# Altium PCB EDA-04211-V4_0_pcb.pcbdoc (part 9 of 12)
Units mm, origin at the board's own origin, x right, y up, seen from the top; angles counter-clockwise.
Board outline 304.8 x 128.5 mm, 14 copper layers (Top Layer, L2, L3GND, L4, L5GND, L6, L7GND, L8, L9GND, L10, L11GND, L12, L13GND, Bottom Layer), stack 4.06 mm thick; 143 components, 1224 nets, 5334 pads, 591 vias.
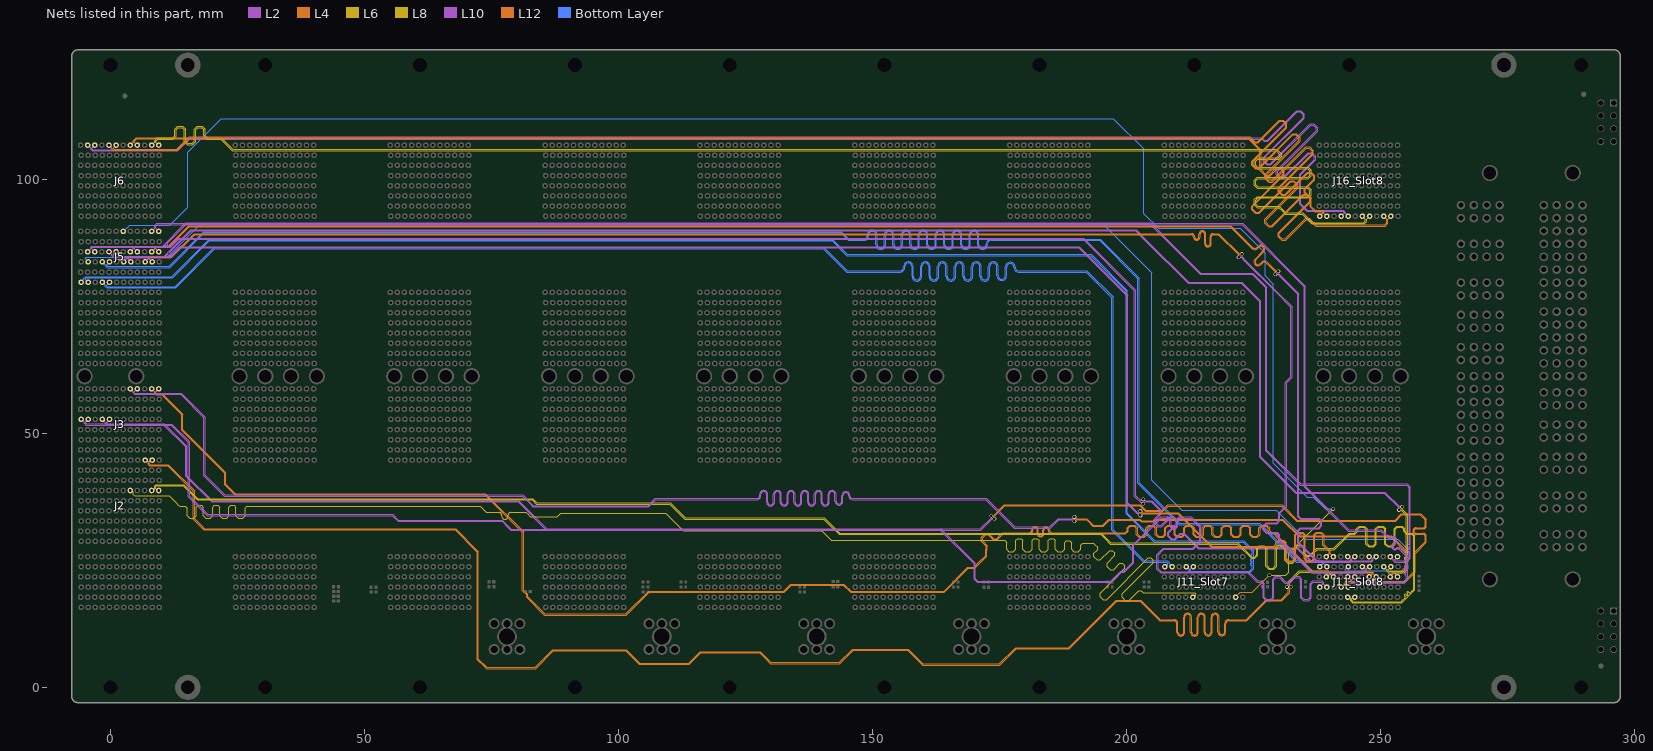
[diagram p21: the nets of this part, all layers, seen from the top]

## Via types
v1: diameter 0.75, hole 0.5, Top Layer to Bottom Layer, tented both sides, 549 vias
v2: diameter 0.85, hole 0.5, Top Layer to Bottom Layer, tented both sides, 32 vias
v3: diameter 1.3, hole 1, Top Layer to Bottom Layer, tented both sides, 10 vias

## Nets (pads, with @x,y where several pads share a name; then routed paths per layer and width w, separated by ;. In a path a pad name is that pad's centre, name@x,y a point inside that pad or via, vN(x,y) a via of type N, cw(c..) or ccw(c..) an arc to the next point about the centre after c; other vN are vias at no path point) (continued)
7_DIFF_15_P: J2.H6 J11_Slot7.E2 | length 296.2
  L6 w0.102: J2.H6@3.92,38.75 4.181,38.75 4.506,38.426 4.506,37.947 4.774,37.678 11.588,37.678 13.016,36.25 13.178,36.088 13.645,35.621 13.923,35.621 14.754,35.621 15.097,35.278 15.097,33.812 15.574,33.335 16.45,33.335 16.927,33.812 16.927,35.486 17.27,35.829 17.956,35.829 18.299,35.486 18.299,33.812 18.776,33.335 19.652,33.335 20.129,33.812 20.129,35.486 20.472,35.829 21.158,35.829 21.501,35.486 21.501,33.812 21.978,33.335 22.854,33.335 23.331,33.812 23.331,35.486 23.674,35.829 24.36,35.829 24.703,35.486 24.703,33.812 25.18,33.335 26.056,33.335 26.533,33.812 26.533,35.278 26.876,35.621 26.994,35.621 72.755,35.621 73.951,34.425 74.484,34.425 76.574,34.425 cw(c76.574,33.993) 77.006,33.993 77.006,33.76 ccw(c77.667,33.76) 77.667,33.099 ccw(c77.667,33.76) 78.328,33.76 78.328,33.993 cw(c78.76,33.993) 78.76,34.425 78.926,34.425 81.846,34.425 81.971,34.3 82.133,34.138 82.65,33.621 87.916,33.621 88.616,34.321 109.3,34.321 112.801,30.82 140.026,30.82 141.905,28.941 174.096,28.941 176.054,28.941 176.397,28.598 176.397,27.194 176.874,26.716 177.75,26.716 178.227,27.194 178.227,28.944 178.57,29.287 179.256,29.287 179.599,28.944 179.599,27.194 180.076,26.716 180.952,26.716 181.429,27.194 181.429,28.944 181.772,29.287 182.458,29.287 182.801,28.944 182.801,27.194 183.278,26.716 184.154,26.716 184.631,27.194 184.631,28.944 184.974,29.287 185.66,29.287 186.003,28.944 186.003,27.194 186.48,26.716 187.356,26.716 187.833,27.194 187.833,28.514 188.176,28.857 188.862,28.857 189.205,28.514 189.205,27.194 189.682,26.716 190.558,26.716 191.035,27.194 191.035,28.014 191.378,28.357 191.496,28.357 193.54,28.357 193.701,28.195 194.316,27.58 194.316,27.095 193.591,26.371 193.591,25.696 194.21,25.077 194.885,25.077 196.747,26.938 197.232,26.938 197.717,26.453 197.717,25.968 196.195,24.446 196.195,23.771 196.814,23.152 197.489,23.152 198.726,24.389 199.211,24.389 199.696,23.904 199.696,23.419 194.81,18.533 194.81,17.858 195.429,17.239 196.104,17.239 204.338,25.473 204.823,25.473 205.308,24.988 205.308,24.503 199.198,18.393 199.198,17.718 199.817,17.099 200.492,17.099 202.402,19.009 202.887,19.009 202.971,18.925 203.267,18.629 213.482,18.629 213.666,18.445 213.666,18.074 213.341,17.75 J11_Slot7.E2@213.08,17.75
7_MGT_Rx_N: J5.E1 J11_Slot7.B5 | length 302.7
  Bottom Layer w0.15: J5.E1@-0.18,79.75 -0.754,79.176 -0.754,79.005 -0.639,78.89 11.552,78.89 12.732,78.89 20.464,86.622 140.455,86.622 145.078,81.999 155.214,81.999 155.415,81.999 ccw(c155.415,82.709) 156.125,82.709 156.125,82.816 cw(c157.086,82.816) 157.086,83.777 cw(c157.086,82.816) 158.048,82.816 158.048,80.931 ccw(c158.758,80.931) 158.758,80.221 ccw(c158.758,80.931) 159.468,80.931 159.468,82.816 cw(c160.43,82.816) 160.43,83.777 cw(c160.43,82.816) 161.391,82.816 161.391,80.931 ccw(c162.101,80.931) 162.101,80.221 ccw(c162.101,80.931) 162.811,80.931 162.811,82.816 cw(c163.773,82.816) 163.773,83.777 cw(c163.773,82.816) 164.734,82.816 164.734,80.931 ccw(c165.444,80.931) 165.444,80.221 ccw(c165.444,80.931) 166.154,80.931 166.154,82.816 cw(c167.116,82.816) 167.116,83.777 cw(c167.116,82.816) 168.078,82.816 168.078,80.931 ccw(c168.788,80.931) 168.788,80.221 ccw(c168.788,80.931) 169.498,80.931 169.498,82.816 cw(c170.459,82.816) 170.459,83.777 cw(c170.459,82.816) 171.421,82.816 171.421,80.931 ccw(c172.131,80.931) 172.131,80.221 ccw(c172.131,80.931) 172.841,80.931 172.841,82.816 cw(c173.802,82.816) 173.802,83.777 cw(c173.802,82.816) 174.764,82.816 174.764,81.056 ccw(c175.474,81.056) 175.474,80.346 ccw(c175.474,81.056) 176.184,81.056 176.184,82.709 cw(c177.146,82.709) 177.146,83.671 cw(c177.146,82.709) 178.107,82.709 ccw(c178.817,82.709) 178.817,81.999 187.269,81.999 192.224,81.999 197.376,76.848 197.376,31.052 198.089,30.338 198.101,30.338 203.513,24.926 208.071,24.926 208.395,24.602 208.395,24.304 208.949,23.75 J11_Slot7.B5@208.98,23.75
7_MGT_Rx_P: J5.D1 J11_Slot7.A5 | length 302.7
  Bottom Layer w0.15: J5.D1@-1.58,79.75 -1.006,79.176 -1.006,78.901 -0.743,78.638 11.552,78.638 12.836,78.638 20.569,86.371 140.351,86.371 144.974,81.748 155.214,81.748 155.415,81.748 ccw(c155.415,82.709) 156.376,82.709 156.376,82.816 cw(c157.086,82.816) 157.086,83.526 cw(c157.086,82.816) 157.796,82.816 157.796,80.931 ccw(c158.758,80.931) 158.758,79.97 ccw(c158.758,80.931) 159.72,80.931 159.72,82.816 cw(c160.43,82.816) 160.43,83.526 cw(c160.43,82.816) 161.14,82.816 161.14,80.931 ccw(c162.101,80.931) 162.101,79.97 ccw(c162.101,80.931) 163.063,80.931 163.063,82.816 cw(c163.773,82.816) 163.773,83.526 cw(c163.773,82.816) 164.483,82.816 164.483,80.931 ccw(c165.444,80.931) 165.444,79.97 ccw(c165.444,80.931) 166.406,80.931 166.406,82.816 cw(c167.116,82.816) 167.116,83.526 cw(c167.116,82.816) 167.826,82.816 167.826,80.931 ccw(c168.788,80.931) 168.788,79.97 ccw(c168.788,80.931) 169.749,80.931 169.749,82.816 cw(c170.459,82.816) 170.459,83.526 cw(c170.459,82.816) 171.169,82.816 171.169,80.931 ccw(c172.131,80.931) 172.131,79.97 ccw(c172.131,80.931) 173.092,80.931 173.092,82.816 cw(c173.802,82.816) 173.802,83.526 cw(c173.802,82.816) 174.512,82.816 174.512,81.056 ccw(c175.474,81.056) 175.474,80.094 ccw(c175.474,81.056) 176.436,81.056 176.436,82.709 cw(c177.146,82.709) 177.146,83.419 cw(c177.146,82.709) 177.856,82.709 ccw(c178.817,82.709) 178.817,81.748 187.269,81.748 192.12,81.748 197.124,76.744 197.124,30.948 203.398,24.674 207.967,24.674 208.144,24.498 208.144,24.282 207.611,23.75 J11_Slot7.A5@207.58,23.75
7_MGT_Tx_N: J5.B1 J11_Slot7.E5 | length 303.2
  Bottom Layer w0.15: J5.B1@-4.38,79.75 -4.954,80.324 -4.954,80.444 -4.779,80.619 11.704,80.619 12.227,80.619 19.479,87.872 142.054,87.872 144.95,84.976 192.938,84.976 199.946,77.968 199.946,34.154 205.489,28.611 222.981,28.611 224.785,26.808 224.785,26.738 224.785,26.259 cw(c224.583,26.259) 224.583,26.057 224.479,26.057 ccw(c224.479,25.855) 224.277,25.855 ccw(c224.479,25.855) 224.479,25.653 224.583,25.653 cw(c224.583,25.451) 224.785,25.451 cw(c224.583,25.451) 224.583,25.249 224.544,25.249 ccw(c224.544,25.047) 224.342,25.047 ccw(c224.544,25.047) 224.544,24.845 224.583,24.845 cw(c224.583,24.643) 224.785,24.643 cw(c224.583,24.643) 224.583,24.441 ccw(c224.583,24.239) 224.381,24.239 ccw(c224.583,24.239) 224.583,24.037 cw(c224.583,23.835) 224.785,23.835 224.785,23.418 ; J11_Slot7.E5@213.18,23.75 213.104,23.75 212.606,23.252 212.606,22.989 212.694,22.901 224.281,22.901 224.785,23.405
7_MGT_Tx_P: J5.A1 J11_Slot7.D5 | length 303.2
  Bottom Layer w0.15: J5.A1@-5.78,79.75 -5.206,80.324 -5.206,80.549 -4.884,80.871 11.704,80.871 12.122,80.871 19.375,88.123 142.159,88.123 145.054,85.228 193.042,85.228 200.197,78.073 200.197,34.258 205.593,28.863 223.085,28.863 225.036,26.912 225.036,26.738 225.036,24.293 225.036,23.3 224.385,22.649 212.589,22.649 212.354,22.885 212.354,23.252 211.856,23.75 J11_Slot7.D5@211.78,23.75
7_SERVMOD: J5.G6 J11_Slot7.K2 | length 344.9
  L8 w0.102: v1(228.166,22.055) 231.386,22.055 231.973,22.642 231.973,26.37 v1(240.734,35.131)
  L12 w0.102: J11_Slot7.K2@221.48,17.75 222.407,18.677 224.787,18.677 v1(228.166,22.055)
  Bottom Layer w0.102: J5.G6@2.52,89.75 3.761,90.991 11.661,90.991 15.22,94.55 15.22,105.35 21.82,111.95 197.452,111.95 203.42,105.982 203.42,93.25 206.32,90.35 222.42,90.35 227.32,85.45 227.32,80.98 228.914,79.386 228.914,44.09 235.554,37.45 236.82,37.45 239.139,35.131 v1(240.734,35.131)
8_CLK_N: J5.L6 J11_Slot8.F4 | length 318
  L2 w0.102: J5.L6@9.52,89.75 8.934,90.336 8.934,90.789 9.24,91.095 9.831,91.095 222.775,91.095 234.991,78.879 234.991,39.455 243.673,30.774 250.111,30.774 250.929,29.957 251.045,29.84 ; J11_Slot8.F4@244.96,21.75 244.374,21.164 244.374,20.943 244.481,20.837 254.704,20.837 255.112,21.245 255.112,21.573 255.112,21.965 ccw(c254.934,21.965) 254.934,22.143 cw(c254.934,22.321) 254.756,22.321 cw(c254.934,22.321) 254.934,22.499 ccw(c254.934,22.677) 255.112,22.677 ccw(c254.934,22.677) 254.934,22.855 254.922,22.855 cw(c254.922,23.033) 254.744,23.033 cw(c254.922,23.033) 254.922,23.211 254.934,23.211 ccw(c254.934,23.389) 255.112,23.389 ccw(c254.934,23.389) 254.934,23.567 254.823,23.567 cw(c254.823,23.745) 254.645,23.745 cw(c254.823,23.745) 254.823,23.923 254.934,23.923 ccw(c254.934,24.101) 255.112,24.101 255.112,24.508 255.112,25.773 253.801,27.084 253.685,27.2 ccw(c253.47,26.988) 253.256,27.201 cw(c252.88,27.577) 252.504,27.202 252.322,27.384 cw(c252.697,27.761) 252.322,28.137 252.91,28.725 ; 251.046,29.839 251.548,29.338 ccw(c251.924,29.713) 252.3,29.337 cw(c252.514,29.123) 252.729,29.336 252.91,29.155 cw(c252.697,28.94) 252.911,28.726
8_CLK_P: J5.K6 J11_Slot8.E4 | length 318
  L2 w0.102: J5.K6@8.12,89.75 8.706,90.336 8.706,90.884 9.145,91.323 9.736,91.323 222.87,91.324 235.22,78.973 235.22,39.55 243.767,31.003 250.016,31.003 250.206,31.003 251.091,30.119 251.207,30.002 ; J11_Slot8.E4@243.56,21.75 244.145,21.164 244.145,20.848 244.386,20.608 254.799,20.608 255.341,21.15 255.341,25.868 253.963,27.246 253.846,27.363 ccw(c253.47,26.988) 253.845,27.364 253.812,27.397 253.809,27.397 ccw(c253.47,26.988) 253.095,27.364 ; 251.208,30.001 251.71,29.499 ccw(c251.924,29.713) 252.138,29.498 cw(c252.514,29.123) 252.853,29.532 252.856,29.532 252.889,29.5 cw(c252.514,29.123) 252.89,29.498 253.072,29.316 ; 252.484,27.546 cw(c252.697,27.761) 252.483,27.974 253.073,28.564 ccw(c252.697,28.94) 253.106,29.279 253.106,29.282 253.074,29.315 ccw(c252.697,28.94) 253.072,29.316 ; 252.484,27.546 252.666,27.364 ; 252.666,27.364 ccw(c252.88,27.577) 253.095,27.364
8_DIFF_0_N: J3.B5 J11_Slot8.E3 | length 313.3
  L10 w0.102: J3.B5@-4.38,52.75 -4.965,52.165 -4.965,52.044 -4.784,51.862 10.634,51.862 13.65,48.845 ; 13.644,48.851 15.057,47.439 15.057,41.692 20.01,36.739 80.342,36.739 85.878,31.202 171.247,31.202 173.38,33.335 173.38,33.793 v1@173.39,33.803
  L12 w0.102: v1@173.39,33.803 173.4,33.813 173.858,33.813 175.995,35.95 202.744,35.95 203.844,34.85 207.053,34.85 208.125,35.922 230.656,35.922 233.637,32.941 252.883,32.941 254.121,34.179 257.935,34.179 258.502,33.612 259.069,33.045 259.069,32.757 259.069,31.854 cw(c258.408,31.854) 258.408,31.193 257.033,31.193 ccw(c257.033,30.761) 256.601,30.761 ccw(c257.033,30.761) 257.033,30.329 258.408,30.329 cw(c258.408,29.668) 259.069,29.668 259.069,29.502 259.069,28.579 256.84,26.35 256.84,22.646 254.829,20.636 243.287,20.636 243.074,20.423 243.074,20.335 J11_Slot8.E3@243.66,19.75
  other v1: 173.397,33.774
8_DIFF_0_P: J3.A5 J11_Slot8.D3 | length 313.3
  L10 w0.102: J3.A5@-5.78,52.75 -5.195,52.165 -5.195,51.949 -4.879,51.633 10.539,51.633 14.828,47.344 14.828,41.597 19.915,36.51 80.247,36.51 85.783,30.973 171.342,30.973 173.542,33.173 174,33.173 v1(174.01,33.183)
  L12 w0.102: v1(174.01,33.183) 174.02,33.193 174.02,33.651 176.09,35.721 202.649,35.721 203.482,34.888 203.749,34.621 207.148,34.621 208.22,35.693 230.561,35.693 233.542,32.712 252.978,32.712 254.216,33.95 257.84,33.95 258.178,33.612 258.34,33.45 258.84,32.95 258.84,32.757 258.84,31.854 cw(c258.408,31.854) 258.408,31.422 257.033,31.422 ccw(c257.033,30.761) 256.372,30.761 ccw(c257.033,30.761) 257.033,30.1 258.408,30.1 cw(c258.408,29.668) 258.84,29.668 258.84,29.502 258.84,28.674 256.611,26.445 256.611,22.741 254.734,20.864 243.193,20.864 242.846,20.517 242.846,20.335 J11_Slot8.D3@242.26,19.75
8_DIFF_1_N: J3.E5 J11_Slot8.B3 | length 313.7
  L2 w0.102: J3.E5@-0.18,52.75 -0.766,52.165 -0.766,52.085 -0.491,51.811 8.707,51.811 12.119,51.811 15.59,48.34 15.59,37.647 19.191,34.047 55.563,34.047 56.706,32.904 77.179,32.904 78.909,31.173 133.377,31.173 ; 133.377,31.173 133.383,31.173 cw(c133.386,30.842) 133.386,31.173 163.334,31.173 cw(c163.334,30.842) 163.567,31.077 170.251,24.393 170.251,21.422 170.745,20.929 196.957,20.929 197.797,21.769 198.893,22.865 199.465,22.865 201.211,24.611 201.211,28.021 206.74,33.55 206.957,33.55 207.994,33.55 cw(c207.994,32.762) 208.782,32.762 208.782,31.935 ccw(c209.341,31.935) 209.341,31.376 ccw(c209.341,31.935) 209.9,31.935 209.9,32.762 cw(c210.688,32.762) 210.688,33.55 210.854,33.55 212.74,33.55 214.669,31.621 214.669,28.679 213.14,27.15 207.34,27.15 206.24,26.05 206.24,23.35 206.823,22.767 224.023,22.767 224.945,21.845 225.827,20.963 226.15,20.963 226.6,20.963 227.14,20.422 227.14,17.706 227.547,17.299 228.36,17.299 228.766,17.706 228.766,21.307 229.307,21.848 230.31,21.848 230.85,21.307 230.85,21.159 231.257,20.752 232.07,20.752 232.476,21.159 232.476,21.307 233.017,21.848 234.02,21.848 234.56,21.307 234.56,17.706 234.967,17.299 235.78,17.299 236.186,17.706 236.186,20.422 236.727,20.963 236.94,20.963 238.459,20.963 238.875,20.548 238.875,20.336 J11_Slot8.B3@239.46,19.75
8_DIFF_1_P: J3.D5 J11_Slot8.A3 | length 313.7
  L2 w0.102: J3.D5@-1.58,52.75 -0.994,52.165 -0.994,51.991 -0.586,51.582 12.024,51.582 15.361,48.246 15.361,37.552 19.096,33.818 55.469,33.818 56.612,32.675 77.084,32.675 78.201,31.557 78.363,31.395 78.815,30.944 133.377,30.944 ; 133.379,30.944 133.385,30.944 163.334,30.944 cw(c163.334,30.842) 163.405,30.915 163.472,30.848 ; 163.473,30.847 170.022,24.298 170.022,21.328 170.65,20.7 197.052,20.7 197.959,21.607 198.987,22.635 199.559,22.635 201.44,24.516 201.44,27.926 206.835,33.321 206.957,33.321 207.994,33.321 cw(c207.994,32.762) 208.553,32.762 208.553,31.935 ccw(c209.341,31.935) 209.341,31.147 ccw(c209.341,31.935) 210.129,31.935 210.129,32.762 cw(c210.688,32.762) 210.688,33.321 210.854,33.321 212.645,33.321 214.44,31.526 214.44,28.774 213.045,27.379 207.245,27.379 206.011,26.145 206.011,23.255 206.631,22.635 206.728,22.538 223.928,22.538 224.716,21.75 225.732,20.734 226.15,20.734 226.505,20.734 226.911,20.327 226.911,17.611 227.452,17.07 228.455,17.07 228.995,17.611 228.995,21.212 229.402,21.619 230.215,21.619 230.621,21.212 230.621,21.064 231.162,20.523 232.165,20.523 232.705,21.064 232.705,21.212 233.112,21.619 233.925,21.619 234.331,21.212 234.331,17.611 234.872,17.07 235.875,17.07 236.415,17.611 236.415,20.327 236.822,20.734 236.94,20.734 238.364,20.734 238.645,20.453 238.645,20.336 J11_Slot8.A3@238.06,19.75
8_DIFF_2_N: J3.K1 J11_Slot8.C4 | length 313.1
  L8 w0.12: v1@231.564,19.802 231.564,19.868 231.863,20.167 231.863,20.793 233.499,22.429 ; 233.499,22.429 233.99,22.92 239.778,22.92 240.195,22.503 240.195,22.15 240.595,21.75 J11_Slot8.C4@240.76,21.75
  L12 w0.102: J3.K1@8.22,44.75 7.959,44.75 7.635,44.426 7.635,43.99 7.774,43.851 11.393,43.851 16.556,38.688 16.556,33.157 17.843,31.87 18.486,31.227 67.933,31.227 72.435,26.725 72.435,5.548 73.875,4.108 74.061,3.922 83.586,3.922 87.117,7.453 101.512,7.453 104.204,4.76 113.863,4.76 116.149,7.047 127.877,7.047 130.011,4.913 143.505,4.913 146.096,7.504 157.061,7.504 159.957,4.608 175.001,4.608 178.201,7.809 188.641,7.809 198.013,17.181 202.842,17.181 206.678,13.346 207.847,13.346 209.36,13.346 cw(c209.36,12.558) 210.148,12.558 210.148,10.88 ccw(c210.707,10.88) 211.266,10.88 211.266,13.818 cw(c212.054,13.818) 212.842,13.818 212.842,10.88 ccw(c213.401,10.88) 213.96,10.88 213.96,13.818 cw(c214.748,13.818) 215.536,13.818 215.536,10.88 ccw(c216.095,10.88) 216.654,10.88 216.654,13.818 cw(c217.442,13.818) 218.23,13.818 218.23,10.961 ccw(c218.789,10.961) 219.348,10.961 219.348,12.558 cw(c220.136,12.558) 220.136,13.346 223.223,13.346 223.622,13.346 227.559,17.283 230.435,17.283 231.884,18.732 231.884,19.459 231.56,19.783 v1@231.56,19.797
  other v1: 231.585,19.782
8_DIFF_2_P: J3.J1 J11_Slot8.B4 | length 313
  L8 w0.12: v1(232.437,19.797) 232.133,20.101 232.133,20.681 233.611,22.159 234.102,22.65 239.666,22.65 239.925,22.391 239.925,22.15 239.525,21.75 J11_Slot8.B4@239.36,21.75
  L12 w0.102: J3.J1@6.82,44.75 7.081,44.75 7.406,44.426 7.406,43.895 7.679,43.622 11.298,43.622 11.868,43.052 12.958,41.962 16.327,38.593 16.327,33.062 17.614,31.775 18.391,30.998 67.838,30.998 71.607,27.23 72.206,26.63 72.206,5.453 73.646,4.013 73.966,3.693 83.681,3.693 87.212,7.224 101.417,7.224 102.687,5.954 102.849,5.792 104.11,4.531 113.958,4.531 116.244,6.818 127.782,6.818 129.001,5.599 129.163,5.437 129.916,4.684 143.599,4.684 146.191,7.275 156.967,7.275 158.846,5.395 159.008,5.233 159.863,4.379 175.095,4.379 178.296,7.58 188.736,7.58 198.108,16.952 202.748,16.952 206.583,13.117 207.847,13.117 209.36,13.117 cw(c209.36,12.558) 209.919,12.558 209.919,10.88 ccw(c210.707,10.88) 211.495,10.88 211.495,13.818 cw(c212.054,13.818) 212.613,13.818 212.613,10.88 ccw(c213.401,10.88) 214.189,10.88 214.189,13.818 cw(c214.748,13.818) 215.307,13.818 215.307,10.88 ccw(c216.095,10.88) 216.883,10.88 216.883,13.818 cw(c217.442,13.818) 218.001,13.818 218.001,10.961 ccw(c218.789,10.961) 219.577,10.961 219.577,12.558 cw(c220.136,12.558) 220.136,13.117 223.223,13.117 223.717,13.117 227.654,17.054 230.53,17.054 232.113,18.637 232.113,19.459 232.437,19.783 v1(232.437,19.797)
8_DIFF_3_N: J3.I8 J11_Slot8.L4 | length 310.5
  L2 w0.102: J3.I8@5.32,58.75 4.734,58.165 4.734,58.041 4.893,57.882 13.897,57.882 18.638,53.141 18.638,41.743 22.499,37.882 81.192,37.882 83.275,35.799 105.865,35.799 107.245,37.179 127.088,37.179 127.254,37.179 ccw(c127.254,37.738) 127.813,37.738 127.813,37.969 cw(c128.601,37.969) 128.601,38.757 cw(c128.601,37.969) 129.389,37.969 129.389,36.468 ccw(c129.948,36.468) 129.948,35.909 ccw(c129.948,36.468) 130.507,36.468 130.507,37.969 cw(c131.295,37.969) 131.295,38.757 cw(c131.295,37.969) 132.083,37.969 132.083,36.468 ccw(c132.642,36.468) 132.642,35.909 ccw(c132.642,36.468) 133.201,36.468 133.201,37.969 cw(c133.989,37.969) 133.989,38.757 cw(c133.989,37.969) 134.777,37.969 134.777,36.468 ccw(c135.336,36.468) 135.336,35.909 ccw(c135.336,36.468) 135.895,36.468 135.895,37.969 cw(c136.683,37.969) 136.683,38.757 cw(c136.683,37.969) 137.471,37.969 137.471,36.468 ccw(c138.03,36.468) 138.03,35.909 ccw(c138.03,36.468) 138.589,36.468 138.589,37.969 cw(c139.377,37.969) 139.377,38.757 cw(c139.377,37.969) 140.165,37.969 140.165,36.468 ccw(c140.724,36.468) 140.724,35.909 ccw(c140.724,36.468) 141.283,36.468 141.283,37.969 cw(c142.071,37.969) 142.071,38.757 cw(c142.071,37.969) 142.859,37.969 142.859,36.664 ccw(c143.418,36.664) 143.418,36.105 ccw(c143.418,36.664) 143.977,36.664 143.977,37.738 cw(c144.765,37.738) 144.765,38.526 cw(c144.765,37.738) 145.553,37.738 ccw(c146.112,37.738) 146.112,37.179 155.579,37.179 172.391,37.179 176.22,33.35 177.987,31.583 184.932,31.583 186.577,33.228 189.42,33.228 189.744,33.552 v1(189.758,33.552)
  L12 w0.102: v1(189.758,33.552) 189.772,33.552 190.096,33.228 192.221,33.228 193.511,31.938 195.321,31.938 196.511,33.129 202.671,33.129 202.971,32.829 205.329,32.829 205.629,33.129 230.808,33.129 234.096,29.84 252.086,29.84 255.255,26.672 255.255,23.625 254.215,22.585 252.937,22.585 252.775,22.423 252.775,22.336 J11_Slot8.L4@253.36,21.75
8_DIFF_3_P: J3.H8 J11_Slot8.K4 | length 310.5
  L2 w0.102: J3.H8@3.92,58.75 4.506,58.165 4.506,57.946 4.799,57.653 13.803,57.653 18.409,53.046 18.409,41.648 22.404,37.653 81.097,37.653 82.503,36.247 83.18,35.57 105.96,35.57 107.34,36.95 127.088,36.95 127.254,36.95 ccw(c127.254,37.738) 128.042,37.738 128.042,37.969 cw(c128.601,37.969) 128.601,38.528 cw(c128.601,37.969) 129.16,37.969 129.16,36.468 ccw(c129.948,36.468) 129.948,35.68 ccw(c129.948,36.468) 130.736,36.468 130.736,37.969 cw(c131.295,37.969) 131.295,38.528 cw(c131.295,37.969) 131.854,37.969 131.854,36.468 ccw(c132.642,36.468) 132.642,35.68 ccw(c132.642,36.468) 133.43,36.468 133.43,37.969 cw(c133.989,37.969) 133.989,38.528 cw(c133.989,37.969) 134.548,37.969 134.548,36.468 ccw(c135.336,36.468) 135.336,35.68 ccw(c135.336,36.468) 136.124,36.468 136.124,37.969 cw(c136.683,37.969) 136.683,38.528 cw(c136.683,37.969) 137.242,37.969 137.242,36.468 ccw(c138.03,36.468) 138.03,35.68 ccw(c138.03,36.468) 138.818,36.468 138.818,37.969 cw(c139.377,37.969) 139.377,38.528 cw(c139.377,37.969) 139.936,37.969 139.936,36.468 ccw(c140.724,36.468) 140.724,35.68 ccw(c140.724,36.468) 141.512,36.468 141.512,37.969 cw(c142.071,37.969) 142.071,38.528 cw(c142.071,37.969) 142.63,37.969 142.63,36.664 ccw(c143.418,36.664) 143.418,35.876 ccw(c143.418,36.664) 144.206,36.664 144.206,37.738 cw(c144.765,37.738) 144.765,38.297 cw(c144.765,37.738) 145.324,37.738 ccw(c146.112,37.738) 146.112,36.95 155.579,36.95 172.296,36.95 175.896,33.35 176.058,33.188 177.892,31.354 185.027,31.354 186.672,32.999 189.42,32.999 189.744,32.675 v1@189.758,32.675
  L12 w0.102: v1@189.772,32.675 190.096,32.999 192.126,32.999 192.273,32.853 193.416,31.709 195.415,31.709 196.606,32.9 202.576,32.9 202.876,32.6 205.424,32.6 205.724,32.9 230.713,32.9 234.001,29.611 251.991,29.611 255.025,26.577 255.025,23.72 254.12,22.815 252.843,22.815 252.545,22.517 252.545,22.336 J11_Slot8.K4@251.96,21.75
  other v1: 189.774,32.7
8_DIFF_4_N: J3.L8 J11_Slot8.I4 | length 313.7
  L12 w0.102: J3.L8@9.52,58.75 8.934,58.164 8.934,57.904 8.994,57.844 10.18,57.844 14.253,53.771 14.253,50.7 22.702,42.251 22.702,39.99 24.531,38.161 73.782,38.161 81.326,30.617 81.326,19.136 82.163,18.299 82.163,17.81 85.509,14.464 101.493,14.464 105.943,18.915 132.513,18.915 133.942,20.344 144.39,20.344 145.819,18.915 164.093,18.915 168.815,23.637 170.013,23.637 170.976,24.6 172.266,25.889 172.266,27.088 172.416,27.238 ; 172.333,27.155 172.416,27.238 ; J11_Slot8.I4@249.16,21.75 248.574,22.336 248.574,22.575 248.381,22.769 236.733,22.769 229.499,30.003 229.052,30.45 228.589,30.45 228.183,30.856 228.183,31.38 227.642,31.921 226.64,31.921 226.099,31.38 226.099,30.159 225.692,29.753 224.879,29.753 224.473,30.159 224.473,31.38 223.932,31.921 222.93,31.921 222.389,31.38 222.389,30.159 221.982,29.753 221.169,29.753 220.763,30.159 220.763,31.38 220.222,31.921 219.22,31.921 218.679,31.38 218.679,30.159 218.273,29.753 217.46,29.753 217.053,30.159 217.053,31.38 216.512,31.921 215.51,31.921 214.969,31.38 214.969,30.159 214.563,29.753 213.75,29.753 213.343,30.159 213.343,31.38 212.802,31.921 211.8,31.921 211.259,31.38 211.259,30.159 210.853,29.753 210.04,29.753 209.633,30.159 209.633,31.38 209.092,31.921 208.09,31.921 207.549,31.38 207.549,30.159 207.143,29.753 206.33,29.753 205.923,30.159 205.923,31.38 205.382,31.921 204.38,31.921 203.839,31.38 203.839,30.159 203.433,29.753 202.62,29.753 202.213,30.159 202.213,31.38 201.672,31.921 200.67,31.921 200.129,31.38 200.129,30.856 199.723,30.45 199.604,30.45 186.456,30.45 185.292,30.45 cw(c185.292,30.882) 184.86,30.882 184.86,30.924 ccw(c184.199,30.924) 183.538,30.924 183.538,30.271 cw(c183.106,30.271) 182.674,30.271 182.674,31.004 ccw(c182.013,31.004) 181.352,31.004 181.352,30.882 cw(c180.92,30.882) 180.92,30.45 180.755,30.45 175.628,30.45 175.304,30.126 174.465,29.287 173.89,29.287 172.943,30.233 172.179,30.233 171.469,29.524 171.469,28.76 172.416,27.813 172.416,27.238
8_DIFF_4_P: J3.K8 J11_Slot8.H4 | length 313.6
  L12 w0.102: J3.K8@8.12,58.75 8.705,58.165 8.705,57.809 8.899,57.615 10.085,57.615 14.024,53.676 14.024,50.605 22.473,42.156 22.473,39.895 24.436,37.932 73.687,37.932 81.097,30.522 81.097,19.042 81.934,18.204 81.934,17.715 85.414,14.236 101.587,14.236 106.037,18.685 132.608,18.685 134.037,20.115 144.295,20.115 145.724,18.685 164.187,18.685 168.91,23.408 170.108,23.408 172.495,25.795 172.495,26.993 172.6,27.098 172.645,27.143 172.645,27.908 171.698,28.855 171.698,29.429 172.273,30.004 172.848,30.004 173.795,29.058 174.56,29.058 175.466,29.964 175.723,30.221 180.755,30.221 180.92,30.221 ccw(c180.92,30.882) 181.581,30.882 181.581,31.004 cw(c182.013,31.004) 182.445,31.004 182.445,30.271 ccw(c183.106,30.271) 183.767,30.271 183.767,30.924 cw(c184.199,30.924) 184.631,30.924 184.631,30.882 ccw(c185.292,30.882) 185.292,30.221 186.456,30.221 199.604,30.221 199.817,30.221 200.358,30.762 200.358,31.285 200.765,31.692 201.578,31.692 201.984,31.285 201.984,30.064 202.525,29.524 203.527,29.524 204.068,30.064 204.068,31.285 204.475,31.692 205.288,31.692 205.694,31.285 205.694,30.064 206.235,29.524 207.237,29.524 207.778,30.064 207.778,31.285 208.185,31.692 208.998,31.692 209.404,31.285 209.404,30.064 209.945,29.524 210.947,29.524 211.488,30.064 211.488,31.285 211.895,31.692 212.708,31.692 213.114,31.285 213.114,30.064 213.655,29.524 214.657,29.524 215.198,30.064 215.198,31.285 215.605,31.692 216.418,31.692 216.824,31.285 216.824,30.064 217.365,29.524 218.367,29.524 218.908,30.064 218.908,31.285 219.314,31.692 220.128,31.692 220.534,31.285 220.534,30.064 221.075,29.524 222.077,29.524 222.618,30.064 222.618,31.285 223.024,31.692 223.837,31.692 224.244,31.285 224.244,30.064 224.785,29.524 225.787,29.524 226.328,30.064 226.328,31.285 226.734,31.692 227.547,31.692 227.954,31.285 227.954,30.762 228.495,30.221 228.957,30.221 229.499,29.679 236.254,22.924 236.638,22.54 248.286,22.54 248.346,22.48 248.346,22.336 J11_Slot8.H4@247.76,21.75
8_DIFF_5_N: J5.H3 J11_Slot8.K5 | length 313.3
  L8 w0.12: J11_Slot8.K5@252.06,23.75 251.495,23.185 251.495,23.039 251.683,22.85 254.594,22.85 255.135,23.391 255.135,23.875 255.135,24.27 ccw(c254.948,24.27) 254.948,24.457 cw(c254.948,24.644) 254.948,24.831 ; v1@253.628,34.92 253.667,34.88 254.113,34.88 255.135,33.858 255.135,26.2 255.135,25.766 cw(c254.948,25.766) 254.948,25.579 254.898,25.579 ccw(c254.898,25.392) 254.898,25.205 254.948,25.205 cw(c254.948,25.018) 254.948,24.831
  L10 w0.102: J5.H3@4.02,83.75 3.434,84.336 3.434,84.413 3.674,84.653 10.409,84.653 10.672,84.653 10.895,84.875 11.182,85.163 cw(c11.308,85.037) 11.434,85.163 11.542,85.056 ccw(c11.667,85.182) 11.793,85.056 ccw(c11.667,85.182) 11.793,85.307 11.686,85.415 cw(c11.812,85.541) 11.686,85.667 11.895,85.875 15.895,89.876 201.794,89.876 203.72,87.95 212.149,79.521 222.637,79.521 226.22,75.938 226.22,45.326 233.325,38.221 250.801,38.221 253.611,35.411 253.611,34.936 v1@253.628,34.92
  other v1: 253.673,34.943
8_DIFF_5_P: J5.G3 J11_Slot8.J5 | length 313.3
  L8 w0.12: J11_Slot8.J5@250.66,23.75 251.225,23.185 251.225,22.927 251.571,22.58 254.706,22.58 255.405,23.279 255.405,33.97 254.304,35.071 254.304,35.517 v1(254.265,35.556)
  L10 w0.102: J5.G3@2.62,83.75 3.206,84.336 3.206,84.508 3.579,84.882 10.577,84.882 15.8,90.105 201.889,90.105 204.044,87.95 212.244,79.75 222.732,79.75 226.449,76.033 226.449,45.421 233.42,38.45 250.896,38.45 253.79,35.556 v1(254.265,35.556)
8_DIFF_6_N: J5.K3 J11_Slot8.H5 | length 313.3
  L2 w0.102: v1(222.092,84.683) 222.12,84.655 222.561,84.655 223.233,83.983 229.355,77.86 232.391,74.825 232.391,61.121 231.29,60.02 231.29,35.62 229.991,34.321 229.991,33.445 229.991,32.844 229.585,32.437 227.48,32.437 226.94,31.897 226.94,30.895 227.48,30.355 229.585,30.355 229.991,29.948 229.991,29.83 229.991,28.955 231.891,27.055 233.758,25.188 236.411,22.535 246.883,22.535 247.275,22.927 247.275,23.426 247.599,23.75 J11_Slot8.H5@247.86,23.75
  L4 w0.102: J5.K3@8.22,83.75 7.635,84.335 7.635,84.448 7.814,84.628 9.647,84.628 12.114,84.628 16.599,89.113 210.994,89.113 212.759,89.113 cw(c212.759,88.681) 213.191,88.681 ccw(c213.852,88.681) 213.852,88.02 ccw(c213.852,88.681) 214.513,88.681 214.513,89.228 cw(c214.945,89.228) 214.945,89.66 cw(c214.945,89.228) 215.377,89.228 215.377,87.344 ccw(c216.038,87.344) 216.038,86.683 ccw(c216.038,87.344) 216.699,87.344 216.699,88.681 cw(c217.131,88.681) 217.131,89.113 217.297,89.113 218.102,89.113 222.065,85.151 222.065,84.711 v1(222.092,84.683)
8_DIFF_6_P: J5.J3 J11_Slot8.G5 | length 313.3
  L2 w0.102: v1(222.695,85.285) 222.722,85.258 222.722,84.817 223.327,84.212 229.517,78.022 232.62,74.919 232.62,61.027 231.519,59.926 231.519,35.526 230.22,34.227 230.22,33.445 230.22,32.749 229.68,32.209 227.575,32.209 227.169,31.802 227.169,30.99 227.575,30.583 229.68,30.583 230.22,30.043 230.22,29.83 230.22,29.05 232.12,27.15 233.758,25.512 233.92,25.35 236.506,22.764 246.788,22.764 247.046,23.022 247.046,23.426 246.721,23.75 J11_Slot8.G5@246.46,23.75
  L4 w0.102: J5.J3@6.82,83.75 7.405,84.336 7.405,84.543 7.72,84.857 12.019,84.857 16.505,89.342 210.994,89.342 212.759,89.342 cw(c212.759,88.681) 213.42,88.681 ccw(c213.852,88.681) 213.852,88.249 ccw(c213.852,88.681) 214.284,88.681 214.284,89.228 cw(c214.945,89.228) 214.945,89.889 cw(c214.945,89.228) 215.606,89.228 215.606,87.344 ccw(c216.038,87.344) 216.038,86.912 ccw(c216.038,87.344) 216.47,87.344 216.47,88.681 cw(c217.131,88.681) 217.131,89.342 217.297,89.342 218.197,89.342 222.226,85.313 222.667,85.313 v1(222.695,85.285)
8_DIFF_7_N: J5.C4 J11_Slot8.F6 | length 310.8
  L2 w0.102: J5.C4@-3.08,85.75 -3.665,86.335 -3.665,86.508 -3.565,86.609 11.018,86.609 11.911,86.609 13.475,88.174 191.46,88.174 201.591,78.043 201.591,37.66 202.79,36.461 202.969,36.461 203.281,36.15 v1(203.32,36.15)
  L10 w0.102: v1(203.32,36.15) 203.356,36.15 203.711,36.505 204.918,36.505 206.212,35.212 206.612,34.812 206.612,34.237 205.504,33.129 205.504,32.364 206.213,31.655 206.978,31.655 208.695,33.373 209.27,33.373 209.845,32.798 209.845,32.223 208.128,30.506 208.128,29.741 208.837,29.032 209.601,29.032 210.709,30.14 211.284,30.14 211.367,30.056 214.134,27.29 233.675,27.29 236.342,24.623 244.056,24.623 244.374,24.941 244.374,25.19 244.935,25.75 J11_Slot8.F6@244.96,25.75
8_DIFF_7_P: J5.B4 J11_Slot8.E6 | length 310.7
  L2 w0.102: J5.B4@-4.48,85.75 -3.895,86.335 -3.895,86.603 -3.66,86.838 11.816,86.838 13.38,88.403 191.555,88.403 201.82,78.138 201.82,37.755 202.885,36.69 202.969,36.69 203.281,37.002 v1(203.32,37.002)
  L10 w0.102: v1(203.32,37.002) 203.441,37.002 203.709,36.734 205.013,36.734 206.374,35.373 206.841,34.907 206.841,34.142 205.733,33.034 205.733,32.459 206.308,31.884 206.883,31.884 208.6,33.602 209.365,33.602 210.074,32.893 210.074,32.128 208.357,30.411 208.357,29.836 208.931,29.261 209.506,29.261 210.614,30.369 211.379,30.369 211.529,30.218 214.229,27.519 233.77,27.519 236.437,24.852 243.927,24.852 244.145,25.07 244.145,25.19 243.585,25.75 J11_Slot8.E6@243.56,25.75
8_DIFF_8_N: J5.F4 J11_Slot8.C6 | length 313.3
  L2 w0.102: J5.F4@1.12,85.75 0.534,85.165 0.534,85.066 0.753,84.848 10.409,84.848 11.756,84.847 13.685,86.777 190.742,86.777 200.299,77.22 200.299,36.326 202.24,34.385 202.402,34.385 202.713,34.697 v1(202.752,34.697)
  L4 w0.102: v1(202.752,34.697) 202.792,34.697 203.103,34.385 210.197,34.385 214.472,30.11 216.809,27.773 228.897,27.773 229.015,27.773 229.422,28.18 229.422,28.431 229.962,28.972 230.965,28.972 231.506,28.431 231.506,25.371 231.912,24.964 232.725,24.964 233.132,25.371 233.132,30.011 233.672,30.552 234.675,30.552 235.216,30.011 235.216,25.371 235.622,24.964 236.435,24.964 236.842,25.371 236.842,30.011 237.382,30.552 238.385,30.552 238.926,30.011 238.926,28.1 239.733,27.293 240.174,26.852 240.174,26.335 J11_Slot8.C6@240.76,25.75
8_DIFF_8_P: J5.E4 J11_Slot8.B6 | length 313.3
  L2 w0.102: J5.E4@-0.28,85.75 0.306,85.165 0.306,84.971 0.658,84.618 11.851,84.618 13.78,86.548 190.647,86.548 192.384,84.812 200.07,77.125 200.07,36.231 202.145,34.156 202.402,34.156 202.713,33.845 v1(202.752,33.845)
  L4 w0.102: v1(202.752,33.845) 202.792,33.845 203.103,34.156 210.102,34.156 214.148,30.11 214.31,29.948 216.714,27.544 228.897,27.544 229.11,27.544 229.651,28.085 229.651,28.337 230.057,28.743 230.87,28.743 231.277,28.337 231.277,25.276 231.817,24.735 232.82,24.735 233.361,25.276 233.361,29.916 233.767,30.323 234.58,30.323 234.987,29.916 234.987,25.276 235.527,24.735 236.53,24.735 237.071,25.276 237.071,29.916 237.477,30.323 238.29,30.323 238.697,29.916 238.697,28.006 239.733,26.969 239.945,26.757 239.945,26.335 J11_Slot8.B6@239.36,25.75
8_DIFF_9_N: J5.I4 J11_Slot8.L6 | length 313.7
  L10 w0.102: J5.I4@5.32,85.75 4.734,86.335 4.734,86.45 4.919,86.634 10.383,86.634 10.43,86.681 10.718,86.969 cw(c10.844,86.843) 10.97,86.969 10.973,86.966 ccw(c11.098,87.092) 11.224,86.966 ccw(c11.098,87.092) 11.224,87.218 11.221,87.221 cw(c11.347,87.347) 11.221,87.473 11.709,87.961 14.945,91.197 204.673,91.197 208.62,87.25 214.549,81.321 224.749,81.321 225.72,80.35 227.42,78.65 227.42,46.58 234.179,39.821 255.205,39.821 255.684,39.343 255.684,36.968 255.683,28.338 255.678,28.288 255.661,28.24 255.634,28.198 255.599,28.162 255.556,28.135 255.509,28.119 255.459,28.113 255.434,28.113 255.384,28.107 255.336,28.091 255.293,28.064 255.258,28.028 255.231,27.986 255.214,27.938 255.209,27.888 255.214,27.838 255.231,27.79 255.258,27.748 255.293,27.712 255.336,27.685 255.384,27.669 255.434,27.663 255.459,27.663 255.509,27.657 255.556,27.641 255.599,27.614 255.634,27.578 255.661,27.536 255.678,27.488 255.683,27.438 255.678,27.388 255.661,27.34 255.634,27.298 255.599,27.262 255.556,27.235 255.509,27.219 255.459,27.213 255.434,27.213 255.384,27.207 255.336,27.191 255.293,27.164 255.258,27.128 255.231,27.086 255.214,27.038 255.209,26.988 255.214,26.938 255.231,26.89 255.258,26.848 255.293,26.812 255.336,26.785 255.384,26.769 255.434,26.763 255.459,26.763 255.509,26.757 255.556,26.741 255.599,26.714 255.634,26.678 255.661,26.636 255.678,26.588 255.683,26.538 255.683,25.507 255.063,24.887 252.874,24.887 252.775,24.986 252.775,25.165 J11_Slot8.L6@253.36,25.75
8_DIFF_9_P: J5.H4 J11_Slot8.K6 | length 313.7
  L10 w0.102: J5.H4@3.92,85.75 4.506,86.335 4.506,86.545 4.824,86.863 10.288,86.863 14.851,91.426 204.768,91.426 208.944,87.25 214.644,81.55 224.844,81.55 226.044,80.35 227.649,78.745 227.649,46.675 234.274,40.05 255.3,40.05 255.913,39.438 255.913,26.538 255.913,25.413 255.158,24.658 252.779,24.658 252.545,24.892 252.545,25.165 J11_Slot8.K6@251.96,25.75
8_DIFF_10_N: J5.L4 J11_Slot8.I6 | length 313.3
  L2 w0.102: v1(229.331,81.316) 229.359,81.288 229.799,81.288 233.691,77.397 233.691,33.838 233.691,33.625 234.232,33.085 237.852,33.085 238.258,32.678 238.258,31.865 237.852,31.459 234.232,31.459 233.691,30.918 233.691,28.603 233.691,28.449 237.443,24.696 248.248,24.696 248.575,25.022 248.575,25.426 248.899,25.75 J11_Slot8.I6@249.16,25.75
  L4 w0.102: J5.L4@9.52,85.75 8.935,86.335 8.935,86.484 9.059,86.609 11.434,86.609 15.489,90.663 220.425,90.663 224.578,86.51 224.694,86.394 ; 224.694,86.394 ccw(c225.252,86.95) 225.809,86.393 226.084,86.667 cw(c226.479,86.272) 226.875,85.877 225.317,84.32 ccw(c225.874,83.762) 225.316,83.206 ; 225.318,83.205 ccw(c225.874,83.762) 226.431,83.205 226.762,83.536 cw(c227.157,83.14) 227.553,83.535 ; 227.553,83.535 228.239,82.849 229.303,81.784 229.303,81.344 v1(229.331,81.316)
8_DIFF_10_P: J5.K4 J11_Slot8.H6 | length 313.3
  L2 w0.102: v1(229.934,81.918) 229.961,81.891 229.961,81.45 233.92,77.492 233.92,33.838 233.92,33.72 234.326,33.314 237.946,33.314 238.487,32.773 238.487,31.77 237.946,31.23 234.326,31.23 233.92,30.823 233.92,28.603 233.92,28.543 237.538,24.925 248.153,24.925 248.346,25.117 248.346,25.426 248.021,25.75 J11_Slot8.H6@247.76,25.75
  L4 w0.102: J5.K4@8.12,85.75 8.705,86.335 8.705,86.579 8.964,86.838 11.339,86.838 15.394,90.892 220.519,90.892 224.74,86.672 224.857,86.555 ccw(c225.252,86.95) 225.647,86.555 225.922,86.829 cw(c226.479,86.272) 227.001,86.863 227.003,86.863 227.036,86.83 ; 227.036,85.714 225.479,84.158 ccw(c225.874,83.762) 226.27,83.367 226.6,83.697 cw(c227.157,83.14) 227.678,83.731 227.681,83.731 227.714,83.698 ; 227.036,85.715 ccw(c226.479,86.272) 227.07,86.794 227.07,86.796 227.037,86.829 ; 227.714,83.697 228.401,83.011 229.465,81.946 229.906,81.946 v1(229.934,81.918)
8_DIFF_11_N: J6.C8 J16_Slot8.E1 | length 313.7
  L10 w0.102: J6.C8@-3.08,106.75 -3.665,106.164 -3.665,106.069 -3.472,105.876 13.121,105.876 15.395,108.15 226.744,108.15 227.068,107.826 227.152,107.742 227.726,107.742 233.522,113.538 234.287,113.538 234.996,112.829 234.996,112.065 227.14,104.209 227.14,103.634 227.715,103.059 228.29,103.059 236.146,110.915 236.91,110.915 237.619,110.206 237.619,109.441 229.764,101.586 229.764,101.011 230.339,100.436 230.913,100.436 235.764,105.287 236.529,105.287 237.238,104.578 237.238,103.813 234.314,100.889 234.314,99.824 234.314,95.238 235.627,93.925 242.663,93.925 243.074,93.513 243.074,93.336 J16_Slot8.E1@243.66,92.75
8_DIFF_11_P: J6.B8 J16_Slot8.D1 | length 313.7
  L10 w0.102: J6.B8@-4.48,106.75 -3.895,106.164 -3.895,105.975 -3.567,105.647 13.216,105.647 15.49,107.921 226.649,107.921 226.906,107.664 227.057,107.513 227.821,107.513 233.617,113.309 234.192,113.309 234.767,112.734 234.767,112.16 226.911,104.304 226.911,103.539 227.62,102.83 228.385,102.83 236.241,110.686 236.816,110.686 237.39,110.111 237.39,109.536 229.535,101.68 229.535,100.916 230.244,100.207 231.008,100.207 235.859,105.058 236.434,105.058 237.009,104.483 237.009,103.908 234.085,100.984 234.085,99.595 234.085,95.143 235.532,93.695 242.568,93.695 242.846,93.418 242.846,93.336 J16_Slot8.D1@242.26,92.75
8_DIFF_12_N: J6.F8 J16_Slot8.B1 | length 313.7
  L4 w0.102: J6.F8@1.12,106.75 0.534,106.164 0.534,106.03 0.652,105.913 13.079,105.913 15.517,108.352 195.52,108.352 224.342,108.352 225.198,107.496 225.282,107.412 225.856,107.412 230.074,111.63 230.839,111.63 231.548,110.921 231.548,110.157 224.868,103.477 224.868,102.902 225.443,102.327 226.018,102.327 232.698,109.007 233.462,109.007 234.171,108.298 234.171,107.533 227.491,100.853 227.491,100.278 228.066,99.703 228.641,99.703 235.321,106.383 236.086,106.383 236.795,105.674 236.795,104.91 230.115,98.23 230.115,97.655 230.69,97.08 231.264,97.08 235.618,101.433 236.382,101.433 237.091,100.724 237.091,99.96 235.2,98.069 235.2,97.494 236.35,96.344 236.369,96.325 236.369,94.656 237.151,93.874 238.523,93.874 238.875,93.522 238.875,93.336 J16_Slot8.B1@239.46,92.75
8_DIFF_12_P: J6.E8 J16_Slot8.A1 | length 313.7
  L4 w0.102: J6.E8@-0.28,106.75 0.306,106.164 0.306,105.936 0.557,105.684 13.174,105.684 15.612,108.123 224.247,108.123 225.036,107.334 225.187,107.183 225.951,107.183 230.169,111.401 230.744,111.401 231.319,110.826 231.319,110.251 224.639,103.571 224.639,102.807 225.348,102.098 226.113,102.098 232.793,108.778 233.368,108.778 233.942,108.203 233.942,107.628 227.262,100.948 227.262,100.183 227.971,99.474 228.736,99.474 235.416,106.154 235.991,106.154 236.566,105.58 236.566,105.005 229.886,98.325 229.886,97.56 230.595,96.851 231.359,96.851 235.713,101.204 236.288,101.204 236.862,100.63 236.862,100.055 234.971,98.163 234.971,97.399 236.14,96.23 236.14,96.133 236.14,94.561 237.056,93.645 238.428,93.645 238.645,93.427 238.645,93.336 J16_Slot8.A1@238.06,92.75
8_DIFF_13_N: J6.I8 J16_Slot8.K1 | length 313.6
  L12 w0.102: J6.I8@5.32,106.75 4.735,107.335 4.735,107.481 5.2,107.947 224.029,107.947 226.291,105.685 226.291,101.755 227.272,100.774 227.356,100.69 227.433,100.613 228.197,100.613 229.696,102.112 230.271,102.112 230.846,101.537 230.846,100.962 224.638,94.755 224.638,93.99 225.347,93.281 226.112,93.281 232.319,99.489 232.894,99.489 233.469,98.914 233.469,98.339 227.262,92.131 227.262,91.367 227.971,90.658 228.735,90.658 234.943,96.865 235.518,96.865 236.092,96.29 236.092,95.715 229.885,89.508 229.885,88.743 230.594,88.034 231.359,88.034 235.398,92.074 235.973,92.074 236.056,91.99 236.906,91.14 237.246,90.8 239.32,90.8 250.918,90.8 251.475,91.357 251.475,92.164 J16_Slot8.K1@252.06,92.75
8_DIFF_13_P: J6.H8 J16_Slot8.J1 | length 313.6
  L12 w0.102: J6.H8@3.92,106.75 4.506,107.336 4.506,107.576 5.105,108.176 224.124,108.176 226.52,105.78 226.52,101.85 227.434,100.936 227.518,100.852 227.528,100.842 228.103,100.842 229.601,102.341 230.366,102.341 231.075,101.632 231.075,100.867 224.867,94.66 224.867,94.085 225.442,93.51 226.017,93.51 232.224,99.718 232.989,99.718 233.698,99.009 233.698,98.244 227.491,92.037 227.491,91.462 228.065,90.887 228.64,90.887 234.848,97.094 235.612,97.094 236.321,96.385 236.321,95.621 230.114,89.413 230.114,88.838 230.689,88.263 231.264,88.263 235.303,92.303 236.067,92.303 236.135,92.235 236.218,92.152 237.341,91.029 250.823,91.029 251.245,91.451 251.245,92.164 J16_Slot8.J1@250.66,92.75
8_DIFF_14_N: J6.L8 J16_Slot8.H1 | length 313.6
  L8 w0.12: J6.L8@9.52,106.75 8.955,107.315 8.955,107.507 9.322,107.874 12.115,107.874 12.365,107.874 12.935,108.443 12.935,109.749 13.346,110.16 14.168,110.16 14.579,109.749 14.579,107.4 15.148,106.831 16.193,106.831 16.763,107.4 16.763,109.749 17.174,110.16 17.996,110.16 18.407,109.749 18.407,108.443 18.976,107.874 20.418,107.874 21.681,107.874 23.942,105.613 228.226,105.613 229.477,105.613 230.214,104.876 230.27,104.82 230.27,104.672 229.859,104.261 225.713,104.261 225.144,103.692 225.144,102.647 225.713,102.078 235.656,102.078 236.067,101.667 236.067,100.845 235.656,100.434 225.713,100.434 225.144,99.865 225.144,98.819 225.713,98.25 235.656,98.25 236.067,97.839 236.067,97.017 235.656,96.606 225.713,96.606 225.144,96.037 225.144,94.991 225.713,94.422 229.986,94.422 230.536,93.872 231.298,93.11 234.641,93.11 236.191,91.56 236.514,91.237 246.837,91.237 247.16,91.56 247.295,91.695 247.295,92.185 J16_Slot8.H1@247.86,92.75
8_DIFF_14_P: J6.K8 J16_Slot8.G1 | length 313.6
  L8 w0.12: J6.K8@8.12,106.75 8.685,107.315 8.685,107.619 9.21,108.144 12.115,108.144 12.254,108.144 12.665,108.555 12.665,109.86 13.234,110.43 14.279,110.43 14.849,109.86 14.849,107.512 15.26,107.101 16.082,107.101 16.493,107.512 16.493,109.86 17.062,110.43 18.107,110.43 18.677,109.86 18.677,108.555 19.088,108.144 20.418,108.144 21.793,108.144 24.054,105.883 228.338,105.883 229.589,105.883 230.54,104.932 230.54,104.876 230.54,104.561 229.971,103.992 225.825,103.992 225.414,103.581 225.414,102.759 225.825,102.348 235.768,102.348 236.337,101.778 236.337,100.733 235.768,100.164 225.825,100.164 225.414,99.753 225.414,98.931 225.825,98.52 235.768,98.52 236.337,97.951 236.337,96.905 235.768,96.336 225.825,96.336 225.414,95.925 225.414,95.103 225.825,94.692 230.098,94.692 230.918,93.872 231.41,93.38 234.753,93.38 234.832,93.301 236.626,91.507 246.725,91.507 247.025,91.807 247.025,92.185 J16_Slot8.G1@246.46,92.75
8_DIFF_15_N: J2.L6 J11_Slot8.F2 | length 313.7
  L6 w0.102: J2.L6@9.52,38.75 9.259,38.75 8.935,39.074 8.935,39.531 9.064,39.66 14.32,39.66 17.08,36.9 83.044,36.9 83.865,36.079 110.085,36.079 113.042,33.121 140.449,33.121 141.92,31.65 143.449,30.121 194.949,30.121 195.82,29.25 196.849,28.221 221.845,28.221 224.645,25.421 225.098,25.421 225.311,25.421 225.852,25.962 225.852,27.224 226.258,27.631 227.071,27.631 227.478,27.224 227.478,23.798 228.018,23.257 229.021,23.257 229.562,23.798 229.562,27.301 229.968,27.707 230.781,27.707 231.188,27.301 231.188,25.003 231.728,24.462 232.731,24.462 233.272,25.003 233.272,27.301 233.678,27.707 234.491,27.707 234.898,27.301 234.898,26.33 235.438,25.789 236.203,25.789 236.693,26.279 237.535,27.121 240.911,27.121 243.94,30.15 244.765,30.15 244.978,30.15 245.519,30.691 245.519,31.099 245.926,31.506 246.739,31.506 247.145,31.099 247.145,28.195 247.686,27.654 248.688,27.654 249.229,28.195 249.229,31.099 249.635,31.506 250.448,31.506 250.855,31.099 250.855,28.195 251.396,27.654 252.398,27.654 252.939,28.195 252.939,31.099 253.345,31.506 254.158,31.506 254.565,31.099 254.565,30.691 255.106,30.15 255.41,30.15 256.126,30.15 256.54,29.736 256.54,19.35 256.158,18.968 255.87,18.68 cw(c255.744,18.806) 255.618,18.68 255.511,18.787 ccw(c255.385,18.661) 255.259,18.787 ccw(c255.385,18.661) 255.259,18.536 255.366,18.428 cw(c255.241,18.302) 255.366,18.176 cw(c255.241,18.302) 255.115,18.176 255.007,18.284 ccw(c254.881,18.158) 254.755,18.284 ccw(c254.881,18.158) 254.755,18.032 254.863,17.925 cw(c254.737,17.799) 254.863,17.673 254.434,17.244 254.073,16.883 244.6,16.883 244.374,17.108 244.374,17.426 244.699,17.75 J11_Slot8.F2@244.96,17.75
8_DIFF_15_P: J2.K6 J11_Slot8.E2 | length 313.8
  L6 w0.102: J2.K6@8.12,38.75 8.381,38.75 8.706,39.074 8.706,39.625 8.969,39.889 14.415,39.889 17.175,37.129 83.139,37.129 83.96,36.308 110.18,36.308 113.137,33.35 140.544,33.35 142.244,31.65 143.544,30.35 195.044,30.35 196.144,29.25 196.944,28.45 221.94,28.45 224.74,25.65 225.098,25.65 225.216,25.65 225.623,26.056 225.623,27.319 226.163,27.86 227.166,27.86 227.707,27.319 227.707,23.893 228.113,23.486 228.926,23.486 229.333,23.893 229.333,27.395 229.873,27.936 230.876,27.936 231.417,27.395 231.417,25.098 231.823,24.691 232.636,24.691 233.043,25.098 233.043,27.395 233.583,27.936 234.586,27.936 235.127,27.395 235.127,26.424 235.533,26.018 236.108,26.018 236.693,26.603 237.44,27.35 240.816,27.35 243.845,30.379 244.765,30.379 244.884,30.379 245.29,30.785 245.29,31.194 245.831,31.735 246.833,31.735 247.374,31.194 247.374,28.29 247.78,27.883 248.594,27.883 249,28.29 249,31.194 249.541,31.735 250.543,31.735 251.084,31.194 251.084,28.29 251.49,27.883 252.303,27.883 252.71,28.29 252.71,31.194 253.251,31.735 254.253,31.735 254.794,31.194 254.794,30.785 255.2,30.379 255.41,30.379 256.221,30.379 256.769,29.831 256.769,19.255 254.167,16.654 244.505,16.654 244.146,17.013 244.146,17.426 243.821,17.75 J11_Slot8.E2@243.56,17.75
8_MGT_Rx_N: J5.E3 J11_Slot8.B5 | length 334.1
  Bottom Layer w0.15: J5.E3@-0.18,83.75 -0.754,83.176 -0.754,83.069 -0.563,82.878 11.171,82.878 11.564,82.878 18.382,89.696 143.914,89.696 145.384,88.225 148.077,88.225 148.277,88.225 ccw(c148.277,88.935) 148.987,88.935 148.987,89.041 cw(c149.949,89.041) 149.949,90.003 cw(c149.949,89.041) 150.911,89.041 150.911,87.157 ccw(c151.621,87.157) 151.621,86.447 ccw(c151.621,87.157) 152.331,87.157 152.331,89.041 cw(c153.292,89.041) 153.292,90.003 cw(c153.292,89.041) 154.254,89.041 154.254,87.157 ccw(c154.964,87.157) 154.964,86.447 ccw(c154.964,87.157) 155.674,87.157 155.674,89.041 cw(c156.635,89.041) 156.635,90.003 cw(c156.635,89.041) 157.597,89.041 157.597,87.157 ccw(c158.307,87.157) 158.307,86.447 ccw(c158.307,87.157) 159.017,87.157 159.017,89.041 cw(c159.979,89.041) 159.979,90.003 cw(c159.979,89.041) 160.94,89.041 160.94,87.157 ccw(c161.65,87.157) 161.65,86.447 ccw(c161.65,87.157) 162.36,87.157 162.36,89.041 cw(c163.322,89.041) 163.322,90.003 cw(c163.322,89.041) 164.283,89.041 164.283,87.157 ccw(c164.993,87.157) 164.993,86.447 ccw(c164.993,87.157) 165.703,87.157 165.703,89.041 cw(c166.665,89.041) 166.665,90.003 cw(c166.665,89.041) 167.627,89.041 167.627,87.157 ccw(c168.337,87.157) 168.337,86.447 ccw(c168.337,87.157) 169.047,87.157 169.047,89.041 cw(c170.008,89.041) 170.008,90.003 cw(c170.008,89.041) 170.97,89.041 170.97,87.157 ccw(c171.68,87.157) 171.68,86.447 ccw(c171.68,87.157) 172.39,87.157 172.39,87.263 cw(c173.351,87.263) 173.351,88.225 174.721,88.225 194.845,88.225 202.52,80.55 202.52,40.25 210.48,32.29 226.199,32.29 231.334,27.155 233.574,24.915 238.578,24.915 238.886,24.607 238.886,24.324 J11_Slot8.B5@239.46,23.75
8_MGT_Rx_P: J5.D3 J11_Slot8.A5 | length 334.1
  Bottom Layer w0.15: J5.D3@-1.58,83.75 -1.006,83.176 -1.006,82.965 -0.667,82.626 11.171,82.626 11.668,82.626 18.486,89.444 143.809,89.444 145.28,87.973 148.077,87.973 148.277,87.973 ccw(c148.277,88.935) 149.239,88.935 149.239,89.041 cw(c149.949,89.041) 149.949,89.751 cw(c149.949,89.041) 150.659,89.041 150.659,87.157 ccw(c151.621,87.157) 151.621,86.195 ccw(c151.621,87.157) 152.582,87.157 152.582,89.041 cw(c153.292,89.041) 153.292,89.751 cw(c153.292,89.041) 154.002,89.041 154.002,87.157 ccw(c154.964,87.157) 154.964,86.195 ccw(c154.964,87.157) 155.925,87.157 155.925,89.041 cw(c156.635,89.041) 156.635,89.751 cw(c156.635,89.041) 157.345,89.041 157.345,87.157 ccw(c158.307,87.157) 158.307,86.195 ccw(c158.307,87.157) 159.269,87.157 159.269,89.041 cw(c159.979,89.041) 159.979,89.751 cw(c159.979,89.041) 160.689,89.041 160.689,87.157 ccw(c161.65,87.157) 161.65,86.195 ccw(c161.65,87.157) 162.612,87.157 162.612,89.041 cw(c163.322,89.041) 163.322,89.751 cw(c163.322,89.041) 164.032,89.041 164.032,87.157 ccw(c164.993,87.157) 164.993,86.195 ccw(c164.993,87.157) 165.955,87.157 165.955,89.041 cw(c166.665,89.041) 166.665,89.751 cw(c166.665,89.041) 167.375,89.041 167.375,87.157 ccw(c168.337,87.157) 168.337,86.195 ccw(c168.337,87.157) 169.298,87.157 169.298,89.041 cw(c170.008,89.041) 170.008,89.751 cw(c170.008,89.041) 170.718,89.041 170.718,87.157 ccw(c171.68,87.157) 171.68,86.195 ccw(c171.68,87.157) 172.641,87.157 172.641,87.263 cw(c173.351,87.263) 173.351,87.973 174.721,87.973 194.741,87.973 202.268,80.446 202.268,40.146 210.376,32.038 226.095,32.038 228.674,29.459 231.23,26.903 ; 231.23,26.903 233.47,24.663 238.474,24.663 238.634,24.503 238.634,24.324 J11_Slot8.A5@238.06,23.75
8_MGT_Tx_N: J5.B3 J11_Slot8.E5 | length 333.4
  Bottom Layer w0.15: J5.B3@-4.38,83.75 -4.954,84.324 -4.954,84.483 -4.779,84.658 11.118,84.658 11.222,84.658 17.633,91.07 195.545,91.07 204.998,81.616 204.998,40.772 210.937,34.833 211.041,34.833 229.524,34.832 234.786,29.57 235.237,29.119 253.436,29.119 255.442,27.112 255.442,26.912 255.442,26.433 cw(c255.24,26.433) 255.24,26.231 255.111,26.231 ccw(c255.111,26.029) 254.909,26.029 ccw(c255.111,26.029) 255.111,25.827 255.24,25.827 cw(c255.24,25.625) 255.442,25.625 cw(c255.24,25.625) 255.24,25.423 255.212,25.423 ccw(c255.212,25.221) 255.01,25.221 ccw(c255.212,25.221) 255.212,25.019 255.24,25.019 cw(c255.24,24.817) 255.442,24.817 cw(c255.24,24.817) 255.24,24.615 ccw(c255.24,24.413) 255.038,24.413 ccw(c255.24,24.413) 255.24,24.211 cw(c255.24,24.009) 255.442,24.009 255.442,23.604 255.442,23.455 254.919,22.931 243.279,22.931 243.122,23.088 243.122,23.212 J11_Slot8.E5@243.66,23.75

## Text inside footprints (layer, text, board x,y; h text height)
J24_Slot1: Drill Drawing "Diam. 0.5mm +/-0.05" at 24.172,79.55 h1; Drill Drawing "PRESS-FIT TECHNOLOGY" at 23.291,81.05 h1; Bottom Overlay "8" at 42.9,77.4 h1 r270; Bottom Overlay "7" at 42.9,75.4 h1 r270; Bottom Overlay "6" at 42.9,73.4 h1 r270; Bottom Overlay "5" at 42.9,71.4 h1 r270; Bottom Overlay "4" at 42.9,69.4 h1 r270; Bottom Overlay "3" at 42.9,67.4 h1 r270; Bottom Overlay "2" at 42.9,65.4 h1 r270; Bottom Overlay "1" at 42.9,63.4 h1 r270; Mechanical 14 "8" at 42.9,77.4 h1 r270; Mechanical 14 "7" at 42.9,75.4 h1 r270; Mechanical 14 "6" at 42.9,73.4 h1 r270; Mechanical 14 "5" at 42.9,71.4 h1 r270; Mechanical 14 "4" at 42.9,69.4 h1 r270; Mechanical 14 "3" at 42.9,67.4 h1 r270; Mechanical 14 "2" at 42.9,65.4 h1 r270; Mechanical 14 "1" at 42.9,63.4 h1 r270; Mechanical 14 "L" at 39.6,61.55 h1 r270; Mechanical 14 "K" at 38.2,61.55 h1 r270; Mechanical 14 "J" at 36.8,61.55 h1 r270; Mechanical 14 "I" at 35.4,61.8 h1 r270; Mechanical 14 "H" at 34,61.55 h1 r270; Mechanical 14 "G" at 32.6,61.55 h1 r270; Mechanical 14 "F" at 31.2,61.55 h1 r270; Mechanical 14 "E" at 29.8,61.55 h1 r270; Mechanical 14 "D" at 28.4,61.55 h1 r270; Mechanical 14 "C" at 27,61.55 h1 r270; Mechanical 14 "B" at 25.6,61.55 h1 r270; Mechanical 14 "A" at 24.2,61.55 h1 r270
J24_Slot2: Drill Drawing "Diam. 0.5mm +/-0.05" at 54.492,79.55 h1; Drill Drawing "PRESS-FIT TECHNOLOGY" at 53.611,81.05 h1; Bottom Overlay "8" at 73.38,77.4 h1 r270; Bottom Overlay "7" at 73.38,75.4 h1 r270; Bottom Overlay "6" at 73.38,73.4 h1 r270; Bottom Overlay "5" at 73.38,71.4 h1 r270; Bottom Overlay "4" at 73.38,69.4 h1 r270; Bottom Overlay "3" at 73.38,67.4 h1 r270; Bottom Overlay "2" at 73.38,65.4 h1 r270; Bottom Overlay "1" at 73.38,63.4 h1 r270; Mechanical 14 "8" at 73.38,77.4 h1 r270; Mechanical 14 "7" at 73.38,75.4 h1 r270; Mechanical 14 "6" at 73.38,73.4 h1 r270; Mechanical 14 "5" at 73.38,71.4 h1 r270; Mechanical 14 "4" at 73.38,69.4 h1 r270; Mechanical 14 "3" at 73.38,67.4 h1 r270; Mechanical 14 "2" at 73.38,65.4 h1 r270; Mechanical 14 "1" at 73.38,63.4 h1 r270; Mechanical 14 "L" at 70.08,61.55 h1 r270; Mechanical 14 "K" at 68.68,61.55 h1 r270; Mechanical 14 "J" at 67.28,61.55 h1 r270; Mechanical 14 "I" at 65.88,61.8 h1 r270; Mechanical 14 "H" at 64.48,61.55 h1 r270; Mechanical 14 "G" at 63.08,61.55 h1 r270; Mechanical 14 "F" at 61.68,61.55 h1 r270; Mechanical 14 "E" at 60.28,61.55 h1 r270; Mechanical 14 "D" at 58.88,61.55 h1 r270; Mechanical 14 "C" at 57.48,61.55 h1 r270; Mechanical 14 "B" at 56.08,61.55 h1 r270; Mechanical 14 "A" at 54.68,61.55 h1 r270